# KiCad board Si5351ABreakout_panel.kicad_pcb (continued)
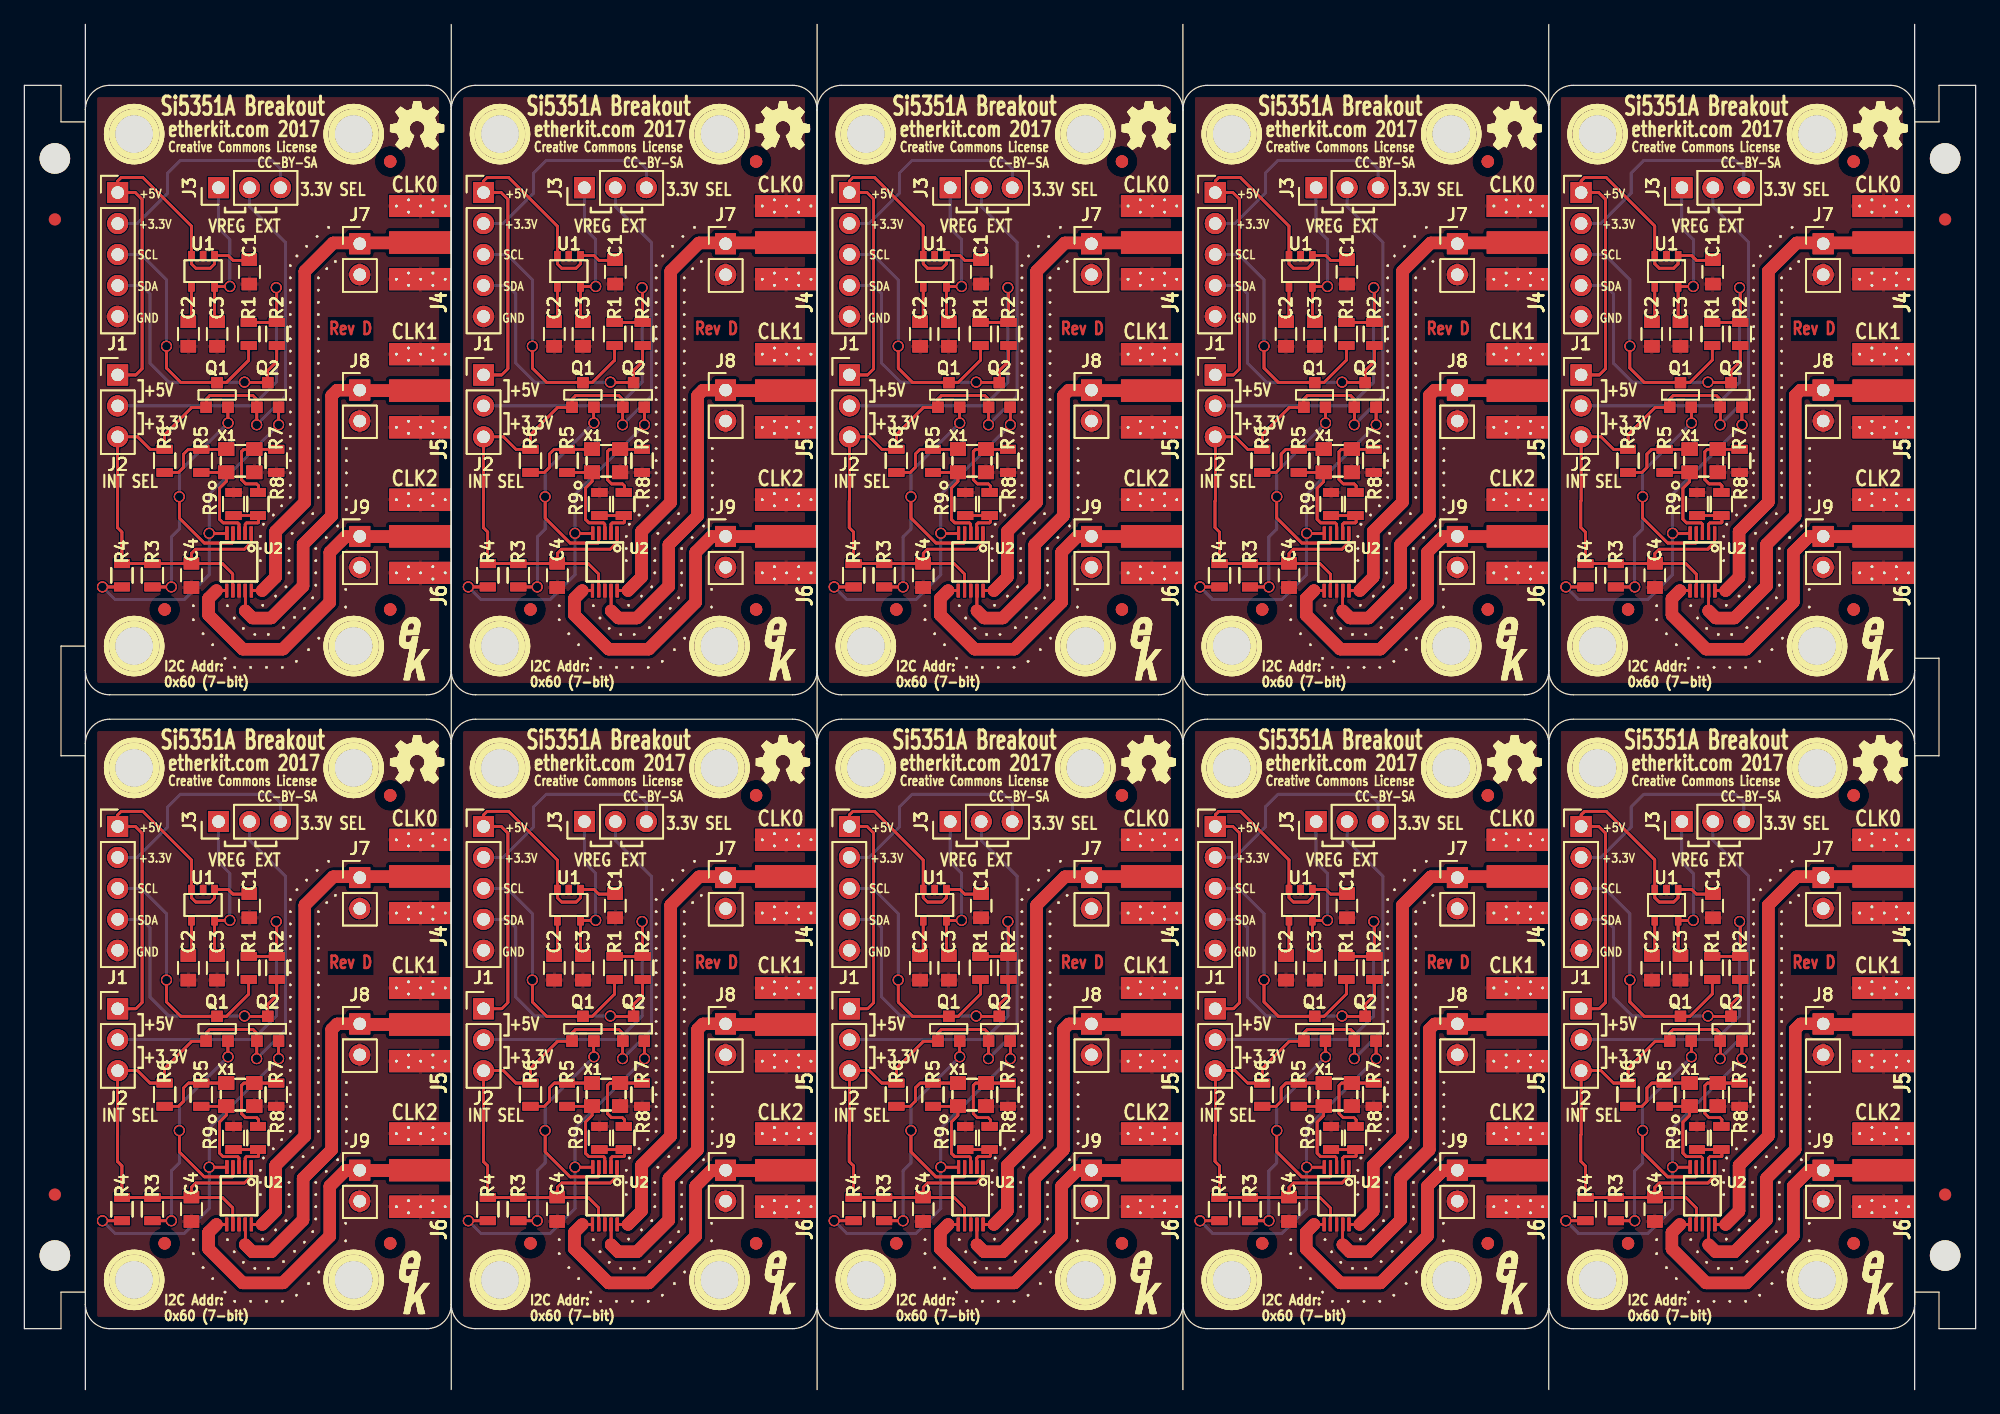
[diagram p0: board, top side]
## Placement (name value [footprint] x y rotation side) (continued)
VIA#1293  VAL**  [VIA]  56.4 72.2 0 top
VIA#1294  VAL**  [VIA]  53.65 64.95 0 top
VIA#1295  VAL**  [VIA]  56.4 73.2 0 top
VIA#1296  VAL**  [VIA]  56.4 74.2 0 top
VIA#1297  VAL**  [VIA]  56.4 75.2 0 top
VIA#1298  VAL**  [VIA]  56.4 76.2 0 top
VIA#1299  VAL**  [VIA]  56.4 77.2 0 top
VIA#1300  VAL**  [VIA]  54.1 82.2 0 top
VIA#1301  VAL**  [VIA]  54.1 83.2 0 top
VIA#1302  VAL**  [VIA]  54.1 84.2 0 top
VIA#1303  VAL**  [VIA]  54.1 85.2 0 top
VIA#1304  VAL**  [VIA]  54.1 86.2 0 top
VIA#1305  VAL**  [VIA]  54.1 87.2 0 top
VIA#1306  VAL**  [VIA]  54.1 88.2 0 top
VIA#1307  VAL**  [VIA]  54.1 89.2 0 top
VIA#1308  VAL**  [VIA]  54.1 90.2 0 top
VIA#1309  VAL**  [VIA]  54.1 91.2 0 top
VIA#1310  VAL**  [VIA]  54.8 91.95 0 top
VIA#1311  VAL**  [VIA]  55.5 92.55 0 top
VIA#1312  VAL**  [VIA]  52.35 93 0 top
VIA#1313  VAL**  [VIA]  53.15 93.8 0 top
VIA#1314  VAL**  [VIA]  54 94.6 0 top
VIA#1315  VAL**  [VIA]  54.95 95.35 0 top
VIA#1316  VAL**  [VIA]  43.85 64.3 0 top
VIA#1317  VAL**  [VIA]  43.85 63.15 0 top
VIA#1318  VAL**  [VIA]  44.65 62 0 top
VIA#1319  VAL**  [VIA]  45.45 61.1 0 top
VIA#1320  VAL**  [VIA]  46.45 60 0 top
VIA#1321  VAL**  [VIA]  48.55 59.25 0 top
VIA#1322  VAL**  [VIA]  49.85 59.25 0 top
VIA#1323  VAL**  [VIA]  51.15 59.25 0 top
VIA#1324  VAL**  [VIA]  52.3 59.75 0 top
VIA#1325  VAL**  [VIA]  53.3 60.7 0 top
VIA#1326  VAL**  [VIA]  54.15 61.65 0 top
VIA#1327  VAL**  [VIA]  47.25 59.25 0 top
VIA#1328  VAL**  [VIA]  56.35 64.2 0 top
VIA#1329  VAL**  [VIA]  56.35 65.65 0 top
VIA#1330  VAL**  [VIA]  47.2 63.3 0 top
VIA#1331  VAL**  [VIA]  24.1 81.2 0 top
VIA#1332  VAL**  [VIA]  21.8 92.2 0 top
VIA#1333  VAL**  [VIA]  21.8 91.2 0 top
VIA#1334  VAL**  [VIA]  21.8 90.2 0 top
VIA#1335  VAL**  [VIA]  21.8 89.2 0 top
VIA#1336  VAL**  [VIA]  21.8 88.2 0 top
VIA#1337  VAL**  [VIA]  21.8 87.2 0 top
VIA#1338  VAL**  [VIA]  21.8 86.2 0 top
VIA#1339  VAL**  [VIA]  21.8 85.2 0 top
VIA#1340  VAL**  [VIA]  21.8 84.2 0 top
VIA#1341  VAL**  [VIA]  21.8 83.2 0 top
VIA#1342  VAL**  [VIA]  21.8 82.2 0 top
VIA#1343  VAL**  [VIA]  21.8 81.2 0 top
VIA#1344  VAL**  [VIA]  21.8 80.2 0 top
VIA#1345  VAL**  [VIA]  21.8 79.2 0 top
VIA#1346  VAL**  [VIA]  21.8 78.2 0 top
VIA#1347  VAL**  [VIA]  21.8 77.2 0 top
VIA#1348  VAL**  [VIA]  21.8 76.2 0 top
VIA#1349  VAL**  [VIA]  21.8 75.2 0 top
VIA#1350  VAL**  [VIA]  21.8 74.2 0 top
VIA#1351  VAL**  [VIA]  21.8 73.2 0 top
VIA#1352  VAL**  [VIA]  23.65 71.85 0 top
VIA#1353  VAL**  [VIA]  19.35 68 0 top
VIA#1354  VAL**  [VIA]  19.35 69 0 top
VIA#1355  VAL**  [VIA]  19.35 70 0 top
VIA#1356  VAL**  [VIA]  19.6 71 0 top
VIA#1357  VAL**  [VIA]  20.4 71.75 0 top
VIA#1358  VAL**  [VIA]  21.1 72.5 0 top
VIA#1359  VAL**  [VIA]  24.1 73.2 0 top
VIA#1360  VAL**  [VIA]  24.1 74.2 0 top
VIA#1361  VAL**  [VIA]  24.1 75.2 0 top
VIA#1362  VAL**  [VIA]  24.1 76.2 0 top
VIA#1363  VAL**  [VIA]  24.1 77.2 0 top
VIA#1364  VAL**  [VIA]  24.1 78.2 0 top
VIA#1365  VAL**  [VIA]  24.1 79.2 0 top
VIA#1366  VAL**  [VIA]  24.1 80.2 0 top
VIA#1367  VAL**  [VIA]  22.85 71.1 0 top
VIA#1368  VAL**  [VIA]  21.95 70.25 0 top
VIA#1369  VAL**  [VIA]  21.7 69 0 top
VIA#1370  VAL**  [VIA]  21.7 68 0 top
VIA#1371  VAL**  [VIA]  21.7 67 0 top
VIA#1372  VAL**  [VIA]  21.45 65.85 0 top
VIA#1373  VAL**  [VIA]  20.6 65.1 0 top
VIA#1374  VAL**  [VIA]  19.55 64.35 0 top
VIA#1375  VAL**  [VIA]  16.65 64.3 0 top
VIA#1376  VAL**  [VIA]  17.95 62.45 0 top
VIA#1377  VAL**  [VIA]  18.9 61.95 0 top
VIA#1378  VAL**  [VIA]  20 61.95 0 top
VIA#1379  VAL**  [VIA]  21.25 62.5 0 top
VIA#1380  VAL**  [VIA]  22.15 63.35 0 top
VIA#1381  VAL**  [VIA]  22.95 64.1 0 top
VIA#1382  VAL**  [VIA]  23.9 66 0 top
VIA#1383  VAL**  [VIA]  23.9 67 0 top
VIA#1384  VAL**  [VIA]  23.9 68 0 top
VIA#1385  VAL**  [VIA]  23.9 69 0 top
VIA#1386  VAL**  [VIA]  24.75 69.9 0 top
VIA#1387  VAL**  [VIA]  25.7 70.85 0 top
VIA#1388  VAL**  [VIA]  26.4 72.2 0 top
VIA#1389  VAL**  [VIA]  23.65 64.95 0 top
VIA#1390  VAL**  [VIA]  26.4 73.2 0 top
VIA#1391  VAL**  [VIA]  26.4 74.2 0 top
VIA#1392  VAL**  [VIA]  26.4 75.2 0 top
VIA#1393  VAL**  [VIA]  26.4 76.2 0 top
VIA#1394  VAL**  [VIA]  26.4 77.2 0 top
VIA#1395  VAL**  [VIA]  24.1 82.2 0 top
VIA#1396  VAL**  [VIA]  24.1 83.2 0 top
VIA#1397  VAL**  [VIA]  24.1 84.2 0 top
VIA#1398  VAL**  [VIA]  24.1 85.2 0 top
VIA#1399  VAL**  [VIA]  24.1 86.2 0 top
VIA#1400  VAL**  [VIA]  24.1 87.2 0 top
VIA#1401  VAL**  [VIA]  24.1 88.2 0 top
VIA#1402  VAL**  [VIA]  24.1 89.2 0 top
VIA#1403  VAL**  [VIA]  24.1 90.2 0 top
VIA#1404  VAL**  [VIA]  24.1 91.2 0 top
VIA#1405  VAL**  [VIA]  24.8 91.95 0 top
VIA#1406  VAL**  [VIA]  25.5 92.55 0 top
VIA#1407  VAL**  [VIA]  22.35 93 0 top
VIA#1408  VAL**  [VIA]  23.15 93.8 0 top
VIA#1409  VAL**  [VIA]  24 94.6 0 top
VIA#1410  VAL**  [VIA]  24.95 95.35 0 top
VIA#1411  VAL**  [VIA]  13.85 64.3 0 top
VIA#1412  VAL**  [VIA]  13.85 63.15 0 top
VIA#1413  VAL**  [VIA]  14.65 62 0 top
VIA#1414  VAL**  [VIA]  15.45 61.1 0 top
VIA#1415  VAL**  [VIA]  16.45 60 0 top
VIA#1416  VAL**  [VIA]  18.55 59.25 0 top
VIA#1417  VAL**  [VIA]  19.85 59.25 0 top
VIA#1418  VAL**  [VIA]  21.15 59.25 0 top
VIA#1419  VAL**  [VIA]  22.3 59.75 0 top
VIA#1420  VAL**  [VIA]  23.3 60.7 0 top
VIA#1421  VAL**  [VIA]  24.15 61.65 0 top
VIA#1422  VAL**  [VIA]  17.25 59.25 0 top
VIA#1423  VAL**  [VIA]  26.35 64.2 0 top
VIA#1424  VAL**  [VIA]  26.35 65.65 0 top
VIA#1425  VAL**  [VIA]  17.2 63.3 0 top
VIA#1426  VAL**  [VIA]  17.2 63.3 0 top
VIA#1427  VAL**  [VIA]  26.35 65.65 0 top
VIA#1428  VAL**  [VIA]  26.35 64.2 0 top
VIA#1429  VAL**  [VIA]  17.25 59.25 0 top
VIA#1430  VAL**  [VIA]  24.15 61.65 0 top
VIA#1431  VAL**  [VIA]  23.3 60.7 0 top
VIA#1432  VAL**  [VIA]  22.3 59.75 0 top
VIA#1433  VAL**  [VIA]  21.15 59.25 0 top
VIA#1434  VAL**  [VIA]  19.85 59.25 0 top
VIA#1435  VAL**  [VIA]  18.55 59.25 0 top
VIA#1436  VAL**  [VIA]  16.45 60 0 top
VIA#1437  VAL**  [VIA]  15.45 61.1 0 top
VIA#1438  VAL**  [VIA]  14.65 62 0 top
VIA#1439  VAL**  [VIA]  13.85 63.15 0 top
VIA#1440  VAL**  [VIA]  13.85 64.3 0 top
VIA#1441  VAL**  [VIA]  24.95 95.35 0 top
VIA#1442  VAL**  [VIA]  24 94.6 0 top
VIA#1443  VAL**  [VIA]  23.15 93.8 0 top
VIA#1444  VAL**  [VIA]  22.35 93 0 top
VIA#1445  VAL**  [VIA]  25.5 92.55 0 top
VIA#1446  VAL**  [VIA]  24.8 91.95 0 top
VIA#1447  VAL**  [VIA]  24.1 91.2 0 top
VIA#1448  VAL**  [VIA]  24.1 90.2 0 top
VIA#1449  VAL**  [VIA]  24.1 89.2 0 top
VIA#1450  VAL**  [VIA]  24.1 88.2 0 top
VIA#1451  VAL**  [VIA]  24.1 87.2 0 top
VIA#1452  VAL**  [VIA]  24.1 86.2 0 top
VIA#1453  VAL**  [VIA]  24.1 85.2 0 top
VIA#1454  VAL**  [VIA]  24.1 84.2 0 top
VIA#1455  VAL**  [VIA]  24.1 83.2 0 top
VIA#1456  VAL**  [VIA]  24.1 82.2 0 top
VIA#1457  VAL**  [VIA]  26.4 77.2 0 top
VIA#1458  VAL**  [VIA]  26.4 76.2 0 top
VIA#1459  VAL**  [VIA]  26.4 75.2 0 top
VIA#1460  VAL**  [VIA]  26.4 74.2 0 top
VIA#1461  VAL**  [VIA]  26.4 73.2 0 top
VIA#1462  VAL**  [VIA]  23.65 64.95 0 top
VIA#1463  VAL**  [VIA]  26.4 72.2 0 top
VIA#1464  VAL**  [VIA]  25.7 70.85 0 top
VIA#1465  VAL**  [VIA]  24.75 69.9 0 top
VIA#1466  VAL**  [VIA]  23.9 69 0 top
VIA#1467  VAL**  [VIA]  23.9 68 0 top
VIA#1468  VAL**  [VIA]  23.9 67 0 top
VIA#1469  VAL**  [VIA]  23.9 66 0 top
VIA#1470  VAL**  [VIA]  22.95 64.1 0 top
VIA#1471  VAL**  [VIA]  22.15 63.35 0 top
VIA#1472  VAL**  [VIA]  21.25 62.5 0 top
VIA#1473  VAL**  [VIA]  20 61.95 0 top
VIA#1474  VAL**  [VIA]  18.9 61.95 0 top
VIA#1475  VAL**  [VIA]  17.95 62.45 0 top
VIA#1476  VAL**  [VIA]  16.65 64.3 0 top
VIA#1477  VAL**  [VIA]  19.55 64.35 0 top
VIA#1478  VAL**  [VIA]  20.6 65.1 0 top
VIA#1479  VAL**  [VIA]  21.45 65.85 0 top
VIA#1480  VAL**  [VIA]  21.7 67 0 top
VIA#1481  VAL**  [VIA]  21.7 68 0 top
VIA#1482  VAL**  [VIA]  21.7 69 0 top
VIA#1483  VAL**  [VIA]  21.95 70.25 0 top
VIA#1484  VAL**  [VIA]  22.85 71.1 0 top
VIA#1485  VAL**  [VIA]  24.1 80.2 0 top
VIA#1486  VAL**  [VIA]  24.1 79.2 0 top
VIA#1487  VAL**  [VIA]  24.1 78.2 0 top
VIA#1488  VAL**  [VIA]  24.1 77.2 0 top
VIA#1489  VAL**  [VIA]  24.1 76.2 0 top
VIA#1490  VAL**  [VIA]  24.1 75.2 0 top
VIA#1491  VAL**  [VIA]  24.1 74.2 0 top
VIA#1492  VAL**  [VIA]  24.1 73.2 0 top
VIA#1493  VAL**  [VIA]  21.1 72.5 0 top
VIA#1494  VAL**  [VIA]  20.4 71.75 0 top
VIA#1495  VAL**  [VIA]  19.6 71 0 top
VIA#1496  VAL**  [VIA]  19.35 70 0 top
VIA#1497  VAL**  [VIA]  19.35 69 0 top
VIA#1498  VAL**  [VIA]  19.35 68 0 top
VIA#1499  VAL**  [VIA]  23.65 71.85 0 top
VIA#1500  VAL**  [VIA]  21.8 73.2 0 top
VIA#1501  VAL**  [VIA]  21.8 74.2 0 top
VIA#1502  VAL**  [VIA]  21.8 75.2 0 top
VIA#1503  VAL**  [VIA]  21.8 76.2 0 top
VIA#1504  VAL**  [VIA]  21.8 77.2 0 top
VIA#1505  VAL**  [VIA]  21.8 78.2 0 top
VIA#1506  VAL**  [VIA]  21.8 79.2 0 top
VIA#1507  VAL**  [VIA]  21.8 80.2 0 top
VIA#1508  VAL**  [VIA]  21.8 81.2 0 top
VIA#1509  VAL**  [VIA]  21.8 82.2 0 top
VIA#1510  VAL**  [VIA]  21.8 83.2 0 top
VIA#1511  VAL**  [VIA]  21.8 84.2 0 top
VIA#1512  VAL**  [VIA]  21.8 85.2 0 top
VIA#1513  VAL**  [VIA]  21.8 86.2 0 top
VIA#1514  VAL**  [VIA]  21.8 87.2 0 top
VIA#1515  VAL**  [VIA]  21.8 88.2 0 top
VIA#1516  VAL**  [VIA]  21.8 89.2 0 top
VIA#1517  VAL**  [VIA]  21.8 90.2 0 top
VIA#1518  VAL**  [VIA]  21.8 91.2 0 top
VIA#1519  VAL**  [VIA]  21.8 92.2 0 top
VIA#1520  VAL**  [VIA]  24.1 81.2 0 top
VIA#1521  VAL**  [VIA]  47.2 63.3 0 top
VIA#1522  VAL**  [VIA]  56.35 65.65 0 top
VIA#1523  VAL**  [VIA]  56.35 64.2 0 top
VIA#1524  VAL**  [VIA]  47.25 59.25 0 top
VIA#1525  VAL**  [VIA]  54.15 61.65 0 top
VIA#1526  VAL**  [VIA]  53.3 60.7 0 top
VIA#1527  VAL**  [VIA]  52.3 59.75 0 top
VIA#1528  VAL**  [VIA]  51.15 59.25 0 top
VIA#1529  VAL**  [VIA]  49.85 59.25 0 top
VIA#1530  VAL**  [VIA]  48.55 59.25 0 top
VIA#1531  VAL**  [VIA]  46.45 60 0 top
VIA#1532  VAL**  [VIA]  45.45 61.1 0 top
VIA#1533  VAL**  [VIA]  44.65 62 0 top
VIA#1534  VAL**  [VIA]  43.85 63.15 0 top
VIA#1535  VAL**  [VIA]  43.85 64.3 0 top
VIA#1536  VAL**  [VIA]  54.95 95.35 0 top
VIA#1537  VAL**  [VIA]  54 94.6 0 top
VIA#1538  VAL**  [VIA]  53.15 93.8 0 top
VIA#1539  VAL**  [VIA]  52.35 93 0 top
VIA#1540  VAL**  [VIA]  55.5 92.55 0 top
VIA#1541  VAL**  [VIA]  54.8 91.95 0 top
VIA#1542  VAL**  [VIA]  54.1 91.2 0 top
VIA#1543  VAL**  [VIA]  54.1 90.2 0 top
VIA#1544  VAL**  [VIA]  54.1 89.2 0 top
VIA#1545  VAL**  [VIA]  54.1 88.2 0 top
VIA#1546  VAL**  [VIA]  54.1 87.2 0 top
VIA#1547  VAL**  [VIA]  54.1 86.2 0 top
VIA#1548  VAL**  [VIA]  54.1 85.2 0 top
VIA#1549  VAL**  [VIA]  54.1 84.2 0 top
VIA#1550  VAL**  [VIA]  54.1 83.2 0 top
VIA#1551  VAL**  [VIA]  54.1 82.2 0 top
VIA#1552  VAL**  [VIA]  56.4 77.2 0 top
VIA#1553  VAL**  [VIA]  56.4 76.2 0 top
VIA#1554  VAL**  [VIA]  56.4 75.2 0 top
VIA#1555  VAL**  [VIA]  56.4 74.2 0 top
VIA#1556  VAL**  [VIA]  56.4 73.2 0 top
VIA#1557  VAL**  [VIA]  53.65 64.95 0 top
VIA#1558  VAL**  [VIA]  56.4 72.2 0 top
VIA#1559  VAL**  [VIA]  55.7 70.85 0 top
VIA#1560  VAL**  [VIA]  54.75 69.9 0 top
VIA#1561  VAL**  [VIA]  53.9 69 0 top
VIA#1562  VAL**  [VIA]  53.9 68 0 top
VIA#1563  VAL**  [VIA]  53.9 67 0 top
VIA#1564  VAL**  [VIA]  53.9 66 0 top
VIA#1565  VAL**  [VIA]  52.95 64.1 0 top
VIA#1566  VAL**  [VIA]  52.15 63.35 0 top
VIA#1567  VAL**  [VIA]  51.25 62.5 0 top
VIA#1568  VAL**  [VIA]  50 61.95 0 top
VIA#1569  VAL**  [VIA]  48.9 61.95 0 top
VIA#1570  VAL**  [VIA]  47.95 62.45 0 top
VIA#1571  VAL**  [VIA]  46.65 64.3 0 top
VIA#1572  VAL**  [VIA]  49.55 64.35 0 top
VIA#1573  VAL**  [VIA]  50.6 65.1 0 top
VIA#1574  VAL**  [VIA]  51.45 65.85 0 top
VIA#1575  VAL**  [VIA]  51.7 67 0 top
VIA#1576  VAL**  [VIA]  51.7 68 0 top
VIA#1577  VAL**  [VIA]  51.7 69 0 top
VIA#1578  VAL**  [VIA]  51.95 70.25 0 top
VIA#1579  VAL**  [VIA]  52.85 71.1 0 top
VIA#1580  VAL**  [VIA]  54.1 80.2 0 top
VIA#1581  VAL**  [VIA]  54.1 79.2 0 top
VIA#1582  VAL**  [VIA]  54.1 78.2 0 top
VIA#1583  VAL**  [VIA]  54.1 77.2 0 top
VIA#1584  VAL**  [VIA]  54.1 76.2 0 top
VIA#1585  VAL**  [VIA]  54.1 75.2 0 top
VIA#1586  VAL**  [VIA]  54.1 74.2 0 top
VIA#1587  VAL**  [VIA]  54.1 73.2 0 top
VIA#1588  VAL**  [VIA]  51.1 72.5 0 top
VIA#1589  VAL**  [VIA]  50.4 71.75 0 top
VIA#1590  VAL**  [VIA]  49.6 71 0 top
VIA#1591  VAL**  [VIA]  49.35 70 0 top
VIA#1592  VAL**  [VIA]  49.35 69 0 top
VIA#1593  VAL**  [VIA]  49.35 68 0 top
VIA#1594  VAL**  [VIA]  53.65 71.85 0 top
VIA#1595  VAL**  [VIA]  51.8 73.2 0 top
VIA#1596  VAL**  [VIA]  51.8 74.2 0 top
VIA#1597  VAL**  [VIA]  51.8 75.2 0 top
VIA#1598  VAL**  [VIA]  51.8 76.2 0 top
VIA#1599  VAL**  [VIA]  51.8 77.2 0 top
VIA#1600  VAL**  [VIA]  51.8 78.2 0 top
VIA#1601  VAL**  [VIA]  51.8 79.2 0 top
VIA#1602  VAL**  [VIA]  51.8 80.2 0 top
VIA#1603  VAL**  [VIA]  51.8 81.2 0 top
VIA#1604  VAL**  [VIA]  51.8 82.2 0 top
VIA#1605  VAL**  [VIA]  51.8 83.2 0 top
VIA#1606  VAL**  [VIA]  51.8 84.2 0 top
VIA#1607  VAL**  [VIA]  51.8 85.2 0 top
VIA#1608  VAL**  [VIA]  51.8 86.2 0 top
VIA#1609  VAL**  [VIA]  51.8 87.2 0 top
VIA#1610  VAL**  [VIA]  51.8 88.2 0 top
VIA#1611  VAL**  [VIA]  51.8 89.2 0 top
VIA#1612  VAL**  [VIA]  51.8 90.2 0 top
VIA#1613  VAL**  [VIA]  51.8 91.2 0 top
VIA#1614  VAL**  [VIA]  51.8 92.2 0 top
VIA#1615  VAL**  [VIA]  54.1 81.2 0 top
VIA#1616  VAL**  [VIA]  77.2 63.3 0 top
VIA#1617  VAL**  [VIA]  86.35 65.65 0 top
VIA#1618  VAL**  [VIA]  86.35 64.2 0 top
VIA#1619  VAL**  [VIA]  77.25 59.25 0 top
VIA#1620  VAL**  [VIA]  84.15 61.65 0 top
VIA#1621  VAL**  [VIA]  83.3 60.7 0 top
VIA#1622  VAL**  [VIA]  82.3 59.75 0 top
VIA#1623  VAL**  [VIA]  81.15 59.25 0 top
VIA#1624  VAL**  [VIA]  79.85 59.25 0 top
VIA#1625  VAL**  [VIA]  78.55 59.25 0 top
VIA#1626  VAL**  [VIA]  76.45 60 0 top
VIA#1627  VAL**  [VIA]  75.45 61.1 0 top
VIA#1628  VAL**  [VIA]  74.65 62 0 top
VIA#1629  VAL**  [VIA]  73.85 63.15 0 top
VIA#1630  VAL**  [VIA]  73.85 64.3 0 top
VIA#1631  VAL**  [VIA]  84.95 95.35 0 top
VIA#1632  VAL**  [VIA]  84 94.6 0 top
VIA#1633  VAL**  [VIA]  83.15 93.8 0 top
VIA#1634  VAL**  [VIA]  82.35 93 0 top
VIA#1635  VAL**  [VIA]  85.5 92.55 0 top
VIA#1636  VAL**  [VIA]  84.8 91.95 0 top
VIA#1637  VAL**  [VIA]  84.1 91.2 0 top
VIA#1638  VAL**  [VIA]  84.1 90.2 0 top
VIA#1639  VAL**  [VIA]  84.1 89.2 0 top
VIA#1640  VAL**  [VIA]  84.1 88.2 0 top
VIA#1641  VAL**  [VIA]  84.1 87.2 0 top
VIA#1642  VAL**  [VIA]  84.1 86.2 0 top
VIA#1643  VAL**  [VIA]  84.1 85.2 0 top
VIA#1644  VAL**  [VIA]  84.1 84.2 0 top
VIA#1645  VAL**  [VIA]  84.1 83.2 0 top
VIA#1646  VAL**  [VIA]  84.1 82.2 0 top
VIA#1647  VAL**  [VIA]  86.4 77.2 0 top
VIA#1648  VAL**  [VIA]  86.4 76.2 0 top
VIA#1649  VAL**  [VIA]  86.4 75.2 0 top
VIA#1650  VAL**  [VIA]  86.4 74.2 0 top
VIA#1651  VAL**  [VIA]  86.4 73.2 0 top
VIA#1652  VAL**  [VIA]  83.65 64.95 0 top
VIA#1653  VAL**  [VIA]  86.4 72.2 0 top
VIA#1654  VAL**  [VIA]  85.7 70.85 0 top
VIA#1655  VAL**  [VIA]  84.75 69.9 0 top
VIA#1656  VAL**  [VIA]  83.9 69 0 top
VIA#1657  VAL**  [VIA]  83.9 68 0 top
VIA#1658  VAL**  [VIA]  83.9 67 0 top
VIA#1659  VAL**  [VIA]  83.9 66 0 top
VIA#1660  VAL**  [VIA]  82.95 64.1 0 top
VIA#1661  VAL**  [VIA]  82.15 63.35 0 top
VIA#1662  VAL**  [VIA]  81.25 62.5 0 top
VIA#1663  VAL**  [VIA]  80 61.95 0 top
VIA#1664  VAL**  [VIA]  78.9 61.95 0 top
VIA#1665  VAL**  [VIA]  77.95 62.45 0 top
VIA#1666  VAL**  [VIA]  76.65 64.3 0 top
VIA#1667  VAL**  [VIA]  79.55 64.35 0 top
VIA#1668  VAL**  [VIA]  80.6 65.1 0 top
VIA#1669  VAL**  [VIA]  81.45 65.85 0 top
VIA#1670  VAL**  [VIA]  81.7 67 0 top
VIA#1671  VAL**  [VIA]  81.7 68 0 top
VIA#1672  VAL**  [VIA]  81.7 69 0 top
VIA#1673  VAL**  [VIA]  81.95 70.25 0 top
VIA#1674  VAL**  [VIA]  82.85 71.1 0 top
VIA#1675  VAL**  [VIA]  84.1 80.2 0 top
VIA#1676  VAL**  [VIA]  84.1 79.2 0 top
VIA#1677  VAL**  [VIA]  84.1 78.2 0 top
VIA#1678  VAL**  [VIA]  84.1 77.2 0 top
VIA#1679  VAL**  [VIA]  84.1 76.2 0 top
VIA#1680  VAL**  [VIA]  84.1 75.2 0 top
VIA#1681  VAL**  [VIA]  84.1 74.2 0 top
VIA#1682  VAL**  [VIA]  84.1 73.2 0 top
VIA#1683  VAL**  [VIA]  81.1 72.5 0 top
VIA#1684  VAL**  [VIA]  80.4 71.75 0 top
VIA#1685  VAL**  [VIA]  79.6 71 0 top
VIA#1686  VAL**  [VIA]  79.35 70 0 top
VIA#1687  VAL**  [VIA]  79.35 69 0 top
VIA#1688  VAL**  [VIA]  79.35 68 0 top
VIA#1689  VAL**  [VIA]  83.65 71.85 0 top
VIA#1690  VAL**  [VIA]  81.8 73.2 0 top
VIA#1691  VAL**  [VIA]  81.8 74.2 0 top
VIA#1692  VAL**  [VIA]  81.8 75.2 0 top
VIA#1693  VAL**  [VIA]  81.8 76.2 0 top
VIA#1694  VAL**  [VIA]  81.8 77.2 0 top
VIA#1695  VAL**  [VIA]  81.8 78.2 0 top
VIA#1696  VAL**  [VIA]  81.8 79.2 0 top
VIA#1697  VAL**  [VIA]  81.8 80.2 0 top
VIA#1698  VAL**  [VIA]  81.8 81.2 0 top
VIA#1699  VAL**  [VIA]  81.8 82.2 0 top
VIA#1700  VAL**  [VIA]  81.8 83.2 0 top
VIA#1701  VAL**  [VIA]  81.8 84.2 0 top
VIA#1702  VAL**  [VIA]  81.8 85.2 0 top
VIA#1703  VAL**  [VIA]  81.8 86.2 0 top
VIA#1704  VAL**  [VIA]  81.8 87.2 0 top
VIA#1705  VAL**  [VIA]  81.8 88.2 0 top
VIA#1706  VAL**  [VIA]  81.8 89.2 0 top
VIA#1707  VAL**  [VIA]  81.8 90.2 0 top
VIA#1708  VAL**  [VIA]  81.8 91.2 0 top
VIA#1709  VAL**  [VIA]  81.8 92.2 0 top
VIA#1710  VAL**  [VIA]  84.1 81.2 0 top
VIA#1711  VAL**  [VIA]  107.2 63.3 0 top
VIA#1712  VAL**  [VIA]  116.35 65.65 0 top
VIA#1713  VAL**  [VIA]  116.35 64.2 0 top
VIA#1714  VAL**  [VIA]  107.25 59.25 0 top
VIA#1715  VAL**  [VIA]  114.15 61.65 0 top
VIA#1716  VAL**  [VIA]  113.3 60.7 0 top
VIA#1717  VAL**  [VIA]  112.3 59.75 0 top
VIA#1718  VAL**  [VIA]  111.15 59.25 0 top
VIA#1719  VAL**  [VIA]  109.85 59.25 0 top
VIA#1720  VAL**  [VIA]  108.55 59.25 0 top
VIA#1721  VAL**  [VIA]  106.45 60 0 top
VIA#1722  VAL**  [VIA]  105.45 61.1 0 top
VIA#1723  VAL**  [VIA]  104.65 62 0 top
VIA#1724  VAL**  [VIA]  103.85 63.15 0 top
VIA#1725  VAL**  [VIA]  103.85 64.3 0 top
VIA#1726  VAL**  [VIA]  114.95 95.35 0 top
VIA#1727  VAL**  [VIA]  114 94.6 0 top
VIA#1728  VAL**  [VIA]  113.15 93.8 0 top
VIA#1729  VAL**  [VIA]  112.35 93 0 top
VIA#1730  VAL**  [VIA]  115.5 92.55 0 top
VIA#1731  VAL**  [VIA]  114.8 91.95 0 top
VIA#1732  VAL**  [VIA]  114.1 91.2 0 top
VIA#1733  VAL**  [VIA]  114.1 90.2 0 top
VIA#1734  VAL**  [VIA]  114.1 89.2 0 top
VIA#1735  VAL**  [VIA]  114.1 88.2 0 top
VIA#1736  VAL**  [VIA]  114.1 87.2 0 top
VIA#1737  VAL**  [VIA]  114.1 86.2 0 top
VIA#1738  VAL**  [VIA]  114.1 85.2 0 top
VIA#1739  VAL**  [VIA]  114.1 84.2 0 top
VIA#1740  VAL**  [VIA]  114.1 83.2 0 top
VIA#1741  VAL**  [VIA]  114.1 82.2 0 top
VIA#1742  VAL**  [VIA]  116.4 77.2 0 top
VIA#1743  VAL**  [VIA]  116.4 76.2 0 top
VIA#1744  VAL**  [VIA]  116.4 75.2 0 top
VIA#1745  VAL**  [VIA]  116.4 74.2 0 top
VIA#1746  VAL**  [VIA]  116.4 73.2 0 top
VIA#1747  VAL**  [VIA]  113.65 64.95 0 top
VIA#1748  VAL**  [VIA]  116.4 72.2 0 top
VIA#1749  VAL**  [VIA]  115.7 70.85 0 top
VIA#1750  VAL**  [VIA]  114.75 69.9 0 top
VIA#1751  VAL**  [VIA]  113.9 69 0 top
VIA#1752  VAL**  [VIA]  113.9 68 0 top
VIA#1753  VAL**  [VIA]  113.9 67 0 top
VIA#1754  VAL**  [VIA]  113.9 66 0 top
VIA#1755  VAL**  [VIA]  112.95 64.1 0 top
VIA#1756  VAL**  [VIA]  112.15 63.35 0 top
VIA#1757  VAL**  [VIA]  111.25 62.5 0 top
VIA#1758  VAL**  [VIA]  110 61.95 0 top
VIA#1759  VAL**  [VIA]  108.9 61.95 0 top
VIA#1760  VAL**  [VIA]  107.95 62.45 0 top
VIA#1761  VAL**  [VIA]  106.65 64.3 0 top
VIA#1762  VAL**  [VIA]  109.55 64.35 0 top
VIA#1763  VAL**  [VIA]  110.6 65.1 0 top
VIA#1764  VAL**  [VIA]  111.45 65.85 0 top
VIA#1765  VAL**  [VIA]  111.7 67 0 top
VIA#1766  VAL**  [VIA]  111.7 68 0 top
VIA#1767  VAL**  [VIA]  111.7 69 0 top
VIA#1768  VAL**  [VIA]  111.95 70.25 0 top
VIA#1769  VAL**  [VIA]  112.85 71.1 0 top
VIA#1770  VAL**  [VIA]  114.1 80.2 0 top
VIA#1771  VAL**  [VIA]  114.1 79.2 0 top
VIA#1772  VAL**  [VIA]  114.1 78.2 0 top
VIA#1773  VAL**  [VIA]  114.1 77.2 0 top
VIA#1774  VAL**  [VIA]  114.1 76.2 0 top
VIA#1775  VAL**  [VIA]  114.1 75.2 0 top
VIA#1776  VAL**  [VIA]  114.1 74.2 0 top
VIA#1777  VAL**  [VIA]  114.1 73.2 0 top
VIA#1778  VAL**  [VIA]  111.1 72.5 0 top
VIA#1779  VAL**  [VIA]  110.4 71.75 0 top
VIA#1780  VAL**  [VIA]  109.6 71 0 top
VIA#1781  VAL**  [VIA]  109.35 70 0 top
VIA#1782  VAL**  [VIA]  109.35 69 0 top
VIA#1783  VAL**  [VIA]  109.35 68 0 top
VIA#1784  VAL**  [VIA]  113.65 71.85 0 top
VIA#1785  VAL**  [VIA]  111.8 73.2 0 top
VIA#1786  VAL**  [VIA]  111.8 74.2 0 top
VIA#1787  VAL**  [VIA]  111.8 75.2 0 top
VIA#1788  VAL**  [VIA]  111.8 76.2 0 top
VIA#1789  VAL**  [VIA]  111.8 77.2 0 top
VIA#1790  VAL**  [VIA]  111.8 78.2 0 top
VIA#1791  VAL**  [VIA]  111.8 79.2 0 top
VIA#1792  VAL**  [VIA]  111.8 80.2 0 top
VIA#1793  VAL**  [VIA]  111.8 81.2 0 top
VIA#1794  VAL**  [VIA]  111.8 82.2 0 top
VIA#1795  VAL**  [VIA]  111.8 83.2 0 top
VIA#1796  VAL**  [VIA]  111.8 84.2 0 top
VIA#1797  VAL**  [VIA]  111.8 85.2 0 top
VIA#1798  VAL**  [VIA]  111.8 86.2 0 top
VIA#1799  VAL**  [VIA]  111.8 87.2 0 top
VIA#1800  VAL**  [VIA]  111.8 88.2 0 top
VIA#1801  VAL**  [VIA]  111.8 89.2 0 top
VIA#1802  VAL**  [VIA]  111.8 90.2 0 top
VIA#1803  VAL**  [VIA]  111.8 91.2 0 top
VIA#1804  VAL**  [VIA]  111.8 92.2 0 top
VIA#1805  VAL**  [VIA]  114.1 81.2 0 top
VIA#1806  VAL**  [VIA]  137.2 63.3 0 top
VIA#1807  VAL**  [VIA]  146.35 65.65 0 top
VIA#1808  VAL**  [VIA]  146.35 64.2 0 top
VIA#1809  VAL**  [VIA]  137.25 59.25 0 top
VIA#1810  VAL**  [VIA]  144.15 61.65 0 top
VIA#1811  VAL**  [VIA]  143.3 60.7 0 top
VIA#1812  VAL**  [VIA]  142.3 59.75 0 top
VIA#1813  VAL**  [VIA]  141.15 59.25 0 top
VIA#1814  VAL**  [VIA]  139.85 59.25 0 top
VIA#1815  VAL**  [VIA]  138.55 59.25 0 top
VIA#1816  VAL**  [VIA]  136.45 60 0 top
VIA#1817  VAL**  [VIA]  135.45 61.1 0 top
VIA#1818  VAL**  [VIA]  134.65 62 0 top
VIA#1819  VAL**  [VIA]  133.85 63.15 0 top
VIA#1820  VAL**  [VIA]  133.85 64.3 0 top
VIA#1821  VAL**  [VIA]  144.95 95.35 0 top
VIA#1822  VAL**  [VIA]  144 94.6 0 top
VIA#1823  VAL**  [VIA]  143.15 93.8 0 top
VIA#1824  VAL**  [VIA]  142.35 93 0 top
VIA#1825  VAL**  [VIA]  145.5 92.55 0 top
VIA#1826  VAL**  [VIA]  144.8 91.95 0 top
VIA#1827  VAL**  [VIA]  144.1 91.2 0 top
VIA#1828  VAL**  [VIA]  144.1 90.2 0 top
VIA#1829  VAL**  [VIA]  144.1 89.2 0 top
VIA#1830  VAL**  [VIA]  144.1 88.2 0 top
VIA#1831  VAL**  [VIA]  144.1 87.2 0 top
VIA#1832  VAL**  [VIA]  144.1 86.2 0 top
VIA#1833  VAL**  [VIA]  144.1 85.2 0 top
VIA#1834  VAL**  [VIA]  144.1 84.2 0 top
VIA#1835  VAL**  [VIA]  144.1 83.2 0 top
VIA#1836  VAL**  [VIA]  144.1 82.2 0 top
VIA#1837  VAL**  [VIA]  146.4 77.2 0 top
VIA#1838  VAL**  [VIA]  146.4 76.2 0 top
VIA#1839  VAL**  [VIA]  146.4 75.2 0 top
VIA#1840  VAL**  [VIA]  146.4 74.2 0 top
VIA#1841  VAL**  [VIA]  146.4 73.2 0 top
VIA#1842  VAL**  [VIA]  143.65 64.95 0 top
VIA#1843  VAL**  [VIA]  146.4 72.2 0 top
VIA#1844  VAL**  [VIA]  145.7 70.85 0 top
VIA#1845  VAL**  [VIA]  144.75 69.9 0 top
VIA#1846  VAL**  [VIA]  143.9 69 0 top
VIA#1847  VAL**  [VIA]  143.9 68 0 top
VIA#1848  VAL**  [VIA]  143.9 67 0 top
VIA#1849  VAL**  [VIA]  143.9 66 0 top
VIA#1850  VAL**  [VIA]  142.95 64.1 0 top
VIA#1851  VAL**  [VIA]  142.15 63.35 0 top
VIA#1852  VAL**  [VIA]  141.25 62.5 0 top
VIA#1853  VAL**  [VIA]  140 61.95 0 top
VIA#1854  VAL**  [VIA]  138.9 61.95 0 top
VIA#1855  VAL**  [VIA]  137.95 62.45 0 top
VIA#1856  VAL**  [VIA]  136.65 64.3 0 top
VIA#1857  VAL**  [VIA]  139.55 64.35 0 top
VIA#1858  VAL**  [VIA]  140.6 65.1 0 top
VIA#1859  VAL**  [VIA]  141.45 65.85 0 top
VIA#1860  VAL**  [VIA]  141.7 67 0 top
VIA#1861  VAL**  [VIA]  141.7 68 0 top
VIA#1862  VAL**  [VIA]  141.7 69 0 top
VIA#1863  VAL**  [VIA]  141.95 70.25 0 top
VIA#1864  VAL**  [VIA]  142.85 71.1 0 top
VIA#1865  VAL**  [VIA]  144.1 80.2 0 top
VIA#1866  VAL**  [VIA]  144.1 79.2 0 top
VIA#1867  VAL**  [VIA]  144.1 78.2 0 top
VIA#1868  VAL**  [VIA]  144.1 77.2 0 top
VIA#1869  VAL**  [VIA]  144.1 76.2 0 top
VIA#1870  VAL**  [VIA]  144.1 75.2 0 top
VIA#1871  VAL**  [VIA]  144.1 74.2 0 top
VIA#1872  VAL**  [VIA]  144.1 73.2 0 top
VIA#1873  VAL**  [VIA]  141.1 72.5 0 top
VIA#1874  VAL**  [VIA]  140.4 71.75 0 top
VIA#1875  VAL**  [VIA]  139.6 71 0 top
VIA#1876  VAL**  [VIA]  139.35 70 0 top
VIA#1877  VAL**  [VIA]  139.35 69 0 top
VIA#1878  VAL**  [VIA]  139.35 68 0 top
VIA#1879  VAL**  [VIA]  143.65 71.85 0 top
VIA#1880  VAL**  [VIA]  141.8 73.2 0 top
VIA#1881  VAL**  [VIA]  141.8 74.2 0 top
VIA#1882  VAL**  [VIA]  141.8 75.2 0 top
VIA#1883  VAL**  [VIA]  141.8 76.2 0 top
VIA#1884  VAL**  [VIA]  141.8 77.2 0 top
VIA#1885  VAL**  [VIA]  141.8 78.2 0 top
VIA#1886  VAL**  [VIA]  141.8 79.2 0 top
VIA#1887  VAL**  [VIA]  141.8 80.2 0 top
VIA#1888  VAL**  [VIA]  141.8 81.2 0 top
VIA#1889  VAL**  [VIA]  141.8 82.2 0 top
VIA#1890  VAL**  [VIA]  141.8 83.2 0 top
VIA#1891  VAL**  [VIA]  141.8 84.2 0 top
VIA#1892  VAL**  [VIA]  141.8 85.2 0 top
VIA#1893  VAL**  [VIA]  141.8 86.2 0 top
VIA#1894  VAL**  [VIA]  141.8 87.2 0 top
VIA#1895  VAL**  [VIA]  141.8 88.2 0 top
VIA#1896  VAL**  [VIA]  141.8 89.2 0 top
VIA#1897  VAL**  [VIA]  141.8 90.2 0 top
VIA#1898  VAL**  [VIA]  141.8 91.2 0 top
VIA#1899  VAL**  [VIA]  141.8 92.2 0 top
VIA#1900  VAL**  [VIA]  144.1 81.2 0 top
VIA#1901  VAL**  [VIA]  81.15 7.25 0 top
VIA#1902  VAL**  [VIA]  79.85 7.25 0 top
VIA#1903  VAL**  [VIA]  79.85 7.25 0 top
VIA#1904  VAL**  [VIA]  81.15 7.25 0 top
VIA#1905  VAL**  [VIA]  79.85 7.25 0 top
VIA#1906  VAL**  [VIA]  79.85 7.25 0 top
VIA#1907  VAL**  [VIA]  81.25 10.5 0 top
VIA#1908  VAL**  [VIA]  82.15 11.35 0 top
